# KiCad board MurPhySDR.kicad_pcb (continued)
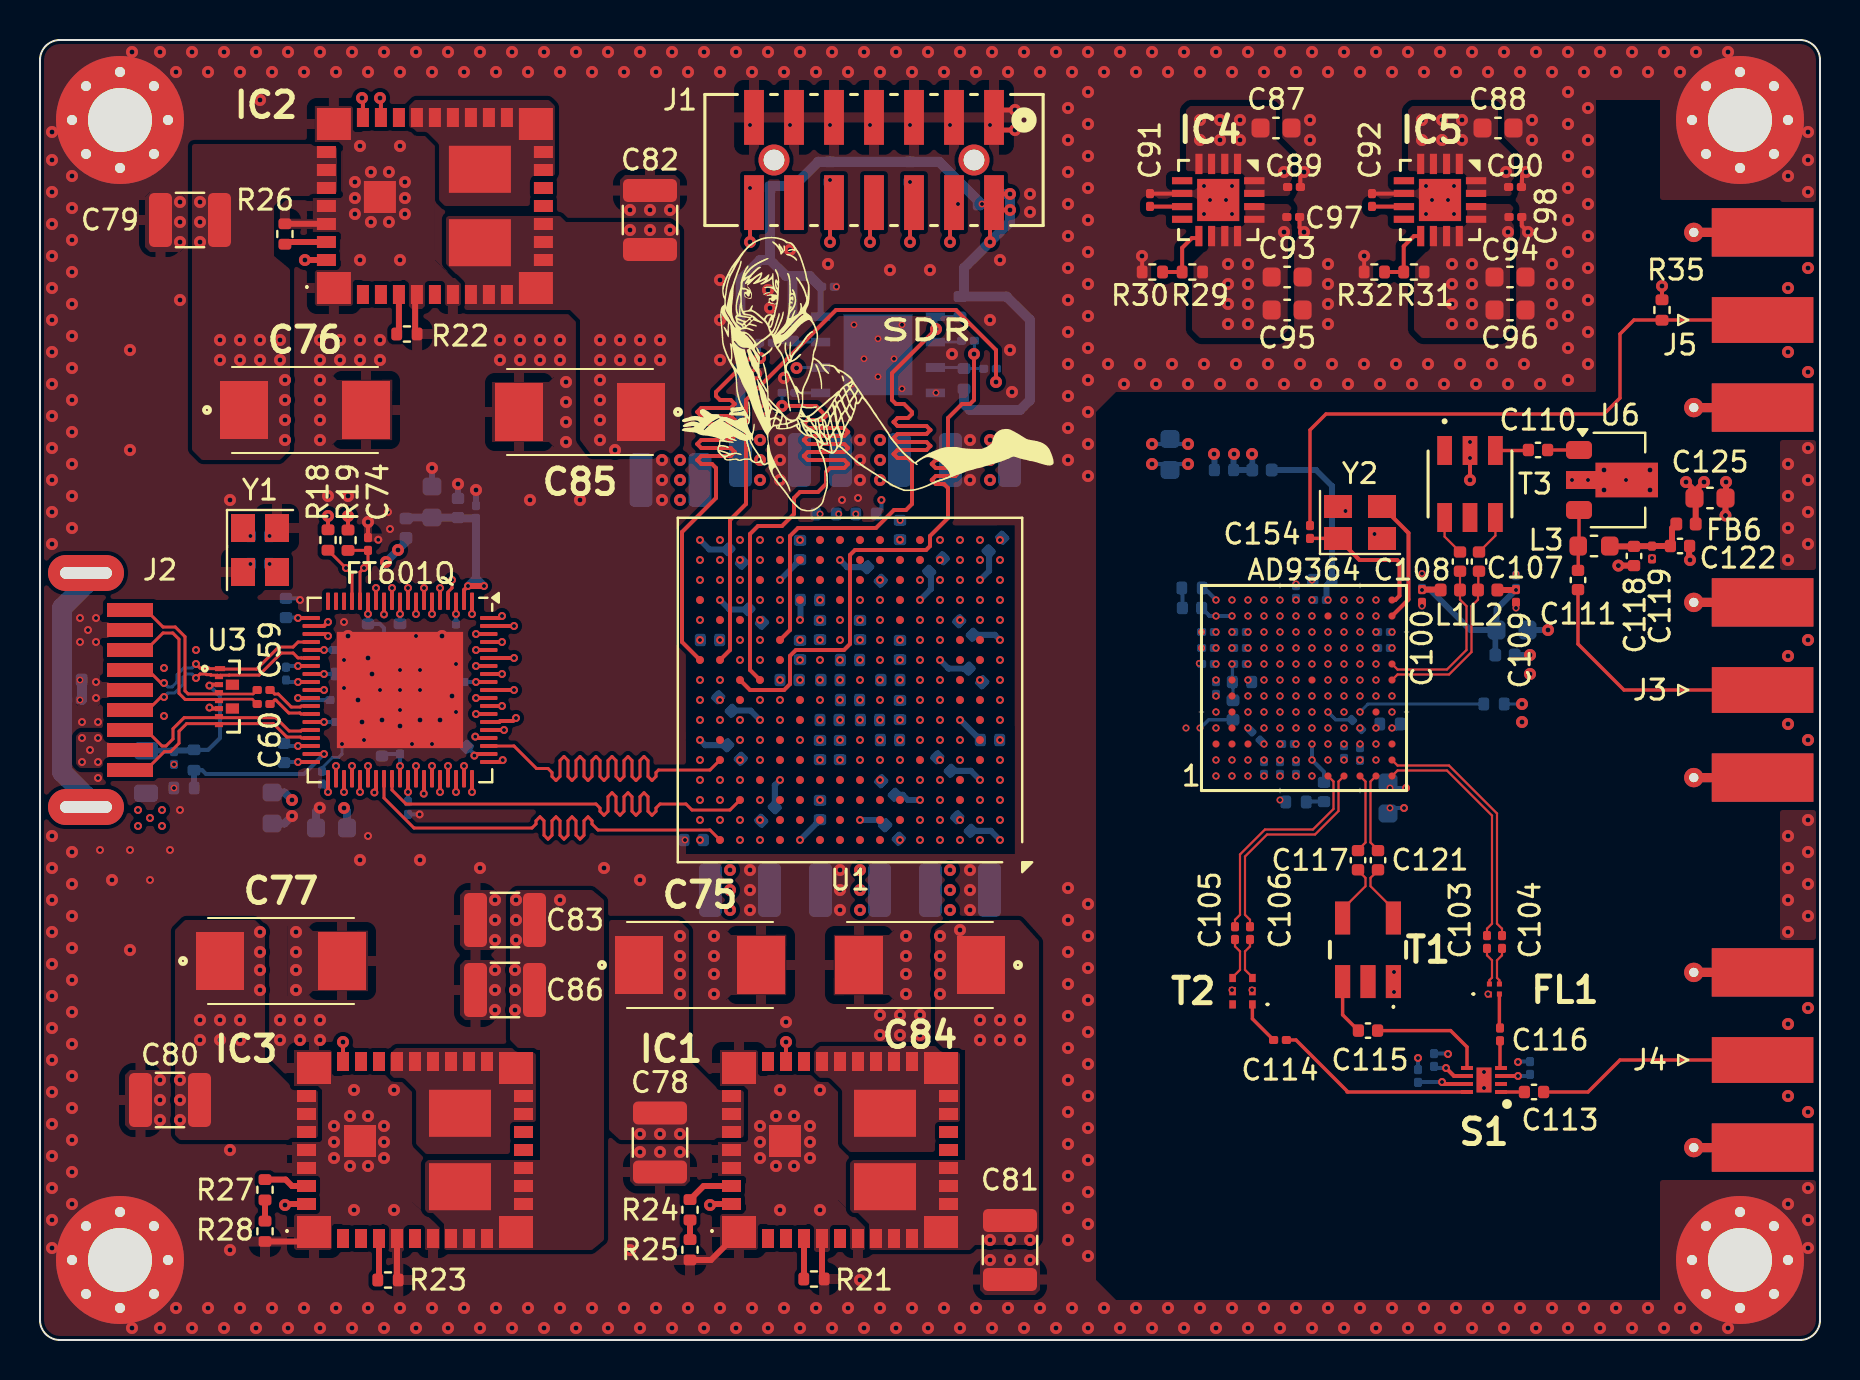
[diagram p0: board, top side]
## Routing (per net, layer and track width the routed paths; a pad name or vN(x,y) marks a point on that pad's centre or on a via; arc(x,y) is an arc through that point) (continued)
+5P0_USB: length 7.3
  Top w0.2: v2(8.47,32.72) 8.52,32.77 U3.3
  Bottom w0.2: v2(8.47,32.72) 9,32.19 9,30.1 8.41,29.51 R15.2
  Bottom w0.3: FB4.1 6.68,29.46 6.7,29.48 7.67,29.48 R15.2
  vias: v2(2.1,30.1) v2(2.1,28.9) v2(2.5,29.5) v2(2.9,30.1) v2(2.9,28.9)
/AD9364/IO/AD93_XTALN: length 7.1
  Top w0.17: Y2.1 64.9,40.08 C154.1 63.5,40.07
  Top w0.2: Y2.1 65.97,39 67.86,39 67.97,38.88 67.97,37.21 67.76,37 U5.M12
/AD9364/IO/AD93_XTALP: length 6.4
  Top w0.2: U5.M11 68.43,37.03 68.43,40.35 Y2.3 ; 66.74,41.45 66.72,41.45
/AD9364/RF/RF_RX-0: length 1.2
  Top w0.17: S1.1 C113.1
/AD9364/RF/RF_RX-1: length 11.6
  Top w0.17: C113.2 77.4,12.4 79,14 J4.1
/AD9364/RF/RF_RX-A-0: length 1.7
  Top w0.17: C116.1 72.97,15.63 FL1.2
/AD9364/RF/RF_RX-A-1: length 1.4
  Top w0.17: S1.4 73,13.65 C116.2
/AD9364/RF/RF_RX-B-0: length 2.2
  Top w0.17: C114.1 60.62,16.06 T2.1
/AD9364/RF/RF_RX-B-1: length 10.2
  Top w0.17: 65.4,12.4 62.8,15 C114.2 ; 65.35,12.4 S1.8
/AD9364/RF/RF_RX-C-0: length 2.8
  Top w0.17: C115.1 65.13,16.26 T1.3
/AD9364/RF/RF_RX-C-1: length 5.9
  Top w0.17: C115.2 70.53,15.47 71.35,14.65 S1.5
/AD9364/RF/RF_RX_A_0_N: length 12.6
  Top w0.11: U5.M2 67.87,28.72 70.45,28.72 72.85,26.33 72.85,20.82 73.1,20.57 C104.1
/AD9364/RF/RF_RX_A_0_P: length 12.2
  Top w0.11: U5.M1 67.87,28.47 70.35,28.47 72.6,26.22 72.6,20.82 72.35,20.57 C103.1
/AD9364/RF/RF_RX_A_1_N: length 1.9
  Top w0.11: C104.2 73.1,19.23 72.85,18.98 72.85,18.11 72.97,17.99 FL1.3
/AD9364/RF/RF_RX_A_1_P: length 1.9
  Top w0.11: FL1.4 72.47,17.99 72.6,18.12 72.6,18.98 72.35,19.23 C103.2
/AD9364/RF/RF_RX_B_0_N: length 11.1
  Top w0.11: C106.1 60.5,21.01 60.25,21.26 60.25,24.17 61.35,25.28 63.75,25.28 64.93,26.45 64.93,27.93 U5.J1
/AD9364/RF/RF_RX_B_0_P: length 11.1
  Top w0.11: U5.H1 64.68,27.93 64.68,26.55 63.65,25.53 61.25,25.53 60,24.28 60,21.26 59.75,21.01 C105.1
/AD9364/RF/RF_RX_B_1_N: length 2.2
  Top w0.11: C106.2 60.5,19.68 60.25,19.43 60.25,18.51 60.62,18.14 T2.3
/AD9364/RF/RF_RX_B_1_P: length 2.2
  Top w0.11: C105.2 59.75,19.68 60,19.43 60,18.51 59.63,18.14 T2.4
/AD9364/RF/RF_RX_C_0_N: length 4
  Top w0.11: U5.L1 66.52,27.93 66.53,24.88 66.9,24.5 C121.1
/AD9364/RF/RF_RX_C_0_P: length 4
  Top w0.11: C117.1 65.9,24.5 66.28,24.88 66.27,27.93 U5.K1
/AD9364/RF/RF_RX_C_1_N: length 3
  Top w0.11: C121.2 66.9,23.48 66.53,23.1 66.53,22.69 67.67,21.54 T1.6
/AD9364/RF/RF_RX_C_1_P: length 3
  Top w0.11: T1.4 65.13,21.54 66.28,22.69 66.28,23.1 65.9,23.48 C117.2
/AD9364/RF/RF_TX-0: length 1.7
  Top w0.17: T3.3 74.34,44.48 74.42,44.4
/AD9364/RF/RF_TX-1: length 1.6
  Top w0.17: C110.2 U6.1
/AD9364/RF/RF_TX-2: length 3
  Top w0.17: C111.1 76.91,38.49 L3.2 76.95,39.74 U6.3
/AD9364/RF/RF_TX-3: length 12.9
  Top w0.17: J3.1 79.2,32.5 76.9,34.8 C111.2
/AD9364/RF/RF_TX_0_N: length 8.3
  Top w0.11: C108.1 L1.2 71,37.02 71.32,36.69 71.32,34.5 70.35,33.53 67.87,33.53 U5.M8
/AD9364/RF/RF_TX_0_P: length 8.9
  Top w0.11: 71.86,37.31 71.95,37.4 ; L2.2 71.9,37.02 71.57,36.69 71.57,34.4 70.45,33.28 67.87,33.28 U5.M7 ; 71.91,37.5 71.91,38.41 C107.1
/AD9364/RF/RF_TX_1_N: length 2
  Top w0.11: T3.6 70.23,40.17 C108.2
/AD9364/RF/RF_TX_1_P: length 2.1
  Top w0.11: T3.4 72.77,40.22 C107.2
/FT601Q/FT-X_N: length 11
  Top w0.2: v2(14.4,35.9) 14.2,35.7 U4.21
  In2.Cu w0.11: v2(14.4,35.9) 14.01,35.51 10.17,35.51 9.85,35.82 9.85,39.24 9.92,39.3 10.98,39.3 v3(11.48,38.8)
/FT601Q/FT-X_P: length 11.8
  Top w0.2: v2(14.4,35.2) 14.3,35.3 U4.22
  In2.Cu w0.11: v3(10.52,40.2) 10.9,39.82 10.9,39.58 10.86,39.54 9.72,39.54 9.54,39.36 9.54,35.69 10.04,35.2 v2(14.4,35.2)
/FT601Q/FT_USB_SSTX_B_N: length 2.4
  Top w0.15: C59.2 11.53,32.5 11.73,32.3 11.91,32.3 12.56,31.65 13.02,31.65 13.07,31.7 U4.31
/FT601Q/FT_USB_SSTX_B_P: length 2.4
  Top w0.15: U4.32 13.05,31.3 13,31.35 12.44,31.35 11.79,32 11.73,32 11.53,31.8 C60.2
FPGA_CFG_CCLK: length 22.8
  In2.Cu w0.2: v3(41,29) 41,29.48 40.08,30.4 39.9,30.4 39.4,30.9 39.4,31.1 38.5,32 38.5,43.4 38.8,43.7 39,43.7 39.2,43.9 39,44.1 38.8,44.1 38.6,44.3 38.6,48 38,48.6
  Bottom w0.15: U2.6 38.03,48.63 38,48.6
  vias: v1(37.83,48.6)
FT_USB_D_N: length 10.6
  Top w0.15: v2(7.8,33.1) 8,33.3 8.3,33.3 8.33,33.27 8.54,33.27 8.54,33.24 8.88,33.24 U3.2 9.02,33.24 9.46,33.24 9.46,33.25 10.96,33.25 12.06,34.35 12.66,34.35 12.9,34.1 13.07,34.1 13.07,34.1 U4.25 ; J2.2 5.3,31.5 ; v2(6.2,32.15) 6.05,32.15 5.53,31.63
  Top w0.2: 8.93,33.15 U3.2
  Bottom w0.15: v2(6.2,32.15) 6.4,32.35 6.73,32.35 7.15,32.77 7.15,33.14 7.31,33.3 7.6,33.3 v2(7.8,33.1)
FT_USB_D_P: length 10.4
  Top w0.15: v2(7.8,33.8) 8,33.6 8.42,33.6 8.45,33.57 U3.1 9.02,33.55 10.83,33.55 11.94,34.65 12.66,34.65 12.91,34.9 U4.23 ; J2.3 5.3,33.5 ; 5.61,33.29 6.05,32.85 v2(6.2,32.85)
  Bottom w0.15: v2(6.2,32.85) 6.4,32.65 6.6,32.65 6.85,32.9 6.85,33.26 7.19,33.6 7.6,33.6 v2(7.8,33.8)
FT_USB_SSRX_N: length 10.7
  Top w0.15: U4.34 13.1,30.5 13.05,30.45 12.46,30.45 11.79,31.12 9.09,31.12 9.09,31.17 U3.7 8.9,31.12 7.21,31.12 6.65,30.56 6.65,30.05 6.3,29.7 6.1,29.7 5.3,30.5 J2.8
  Top w0.2: 8.92,31.19 U3.7
FT_USB_SSRX_P: length 10.7
  Top w0.15: J2.9 5.3,28.5 6.22,29.42 6.53,29.42 6.95,29.84 6.95,30.44 7.33,30.82 8.9,30.82 U3.8 9,30.82 11.67,30.82 12.34,30.15 13.02,30.15 13.07,30.1 U4.35
  Top w0.2: 8.92,30.74 U3.8
FT_USB_SSTX_N: length 9.9
  Top w0.1: U3.4 8.99,32.33
  Top w0.13: U3.4 9.02,32.3 10.66,32.3 C59.1
  Top w0.15: J2.5 5.3,36.5 6.15,35.65 6.76,35.65 7.25,35.16 7.25,32.46 7.4,32.31 8.89,32.31 U3.4
FT_USB_SSTX_P: length 9.9
  Top w0.1: U3.5 8.99,32.01
  Top w0.13: 10.83,31.8 C60.1 10.62,32.04 9.02,32.04 U3.5
  Top w0.15: U3.5 8.89,32.03 7.26,32.03 6.95,32.33 6.95,35.04 6.64,35.35 6.15,35.35 5.3,34.5 J2.6
FTDI_BE_0: length 18.3
  Top w0.15: U4.4 20.4,37.4 20.6,37.6 v2(20.6,38)
  In5.Cu w0.15: v3(34,39) 33.5,39.5 30.34,39.5 30.11,39.72 29.94,39.72 29.82,39.61 29.82,39.39 29.71,39.27 29.54,39.27 29.43,39.39 29.43,39.61 29.31,39.73 29.14,39.73 29.03,39.61 29.03,39.39 28.91,39.28 28.72,39.28 28.5,39.5 28.08,39.5 27.82,39.77 27.48,39.77 27.35,39.63 27.35,39.36 27.21,39.23 26.89,39.23 26.75,39.36 26.75,39.64 26.61,39.77 26.29,39.77 26.15,39.64 26.15,39.36 26.01,39.23 25.69,39.23 25.55,39.36 25.55,39.63 25.42,39.77 25.07,39.77 24.8,39.5 22.1,39.5 v2(20.6,38)
FTDI_BE_1: length 15.9
  Top w0.2: U4.5 v2(20,37.6)
  In5.Cu w0.15: v3(34,38) 33.5,38.5 23.55,38.5 23.1,38.05 23.1,37.5 22.78,37.18 20.43,37.18 v2(20,37.6)
FTDI_BE_2: length 18.3
  Top w0.2: U4.6 v2(19.6,36.3)
  In5.Cu w0.15: v2(19.6,36.3) 20.03,36.72 22.93,36.72 24,37.8 28.5,37.8 28.78,37.52 28.96,37.52 29.1,37.66 29.1,37.88 29.18,37.95 29.42,37.95 29.5,37.88 29.5,37.65 29.65,37.5 29.75,37.5 29.9,37.65 29.9,37.94 30.04,38.08 30.16,38.08 30.44,37.8 32.3,37.8 32.6,37.5 34.5,37.5 v3(35,37)
FTDI_BE_3: length 19.3
  Top w0.2: U4.7 v2(19.2,37.6)
  In2.Cu w0.15: v2(19.2,37.6) 20.2,38.6 21,38.6 21.45,38.15 23.95,38.15 24.5,37.6 28.1,37.6 28.27,37.77 28.61,37.77 28.7,37.69 28.7,37.51 28.79,37.43 29.01,37.43 29.19,37.6 31.4,37.6 32.3,38.5 35.5,38.5 v3(36,39)
FTDI_CLK: length 18.3
  Top w0.2: v2(23.14,29) 23.04,28.9 22.47,28.9
  In5.Cu w0.15: v2(23.14,29) 24.9,29 25.12,28.78 25.32,28.78 25.42,28.89 25.42,29.11 25.54,29.22 25.71,29.22 25.82,29.11 25.82,28.88 25.94,28.77 26.11,28.77 26.22,28.88 26.22,29.11 26.34,29.22 26.51,29.22 26.62,29.11 26.62,28.88 26.74,28.77 26.91,28.77 27.02,28.88 27.02,29.11 27.14,29.22 27.31,29.22 27.42,29.11 27.42,28.88 27.54,28.77 27.71,28.77 27.82,28.88 27.82,29.11 27.94,29.22 28.11,29.22 28.22,29.11 28.22,28.88 28.34,28.77 28.51,28.77 28.62,28.88 28.62,29.11 28.73,29.22 28.92,29.22 29.13,29 32.43,29 32.93,29.5 33.1,29.5 34.1,30.5 35.2,30.5 35.5,30.2 35.5,29.5 v3(36,29)
FTDI_DATA_0: length 20.4
  Top w0.15: U4.40 14.82,28.04
  Top w0.2: 14.8,28.5 v2(14.8,28.7) U4.40
  In2.Cu w0.15: v3(33,28) 32.43,28 31.12,26.7 23.05,26.7 21.85,27.9 15.6,27.9 v2(14.8,28.7)
FTDI_DATA_1: length 20.4
  Top w0.2: U4.41 v2(15.2,27.4) 15.2,27.6
  In2.Cu w0.15: v2(15.2,27.4) 18,24.6 31.28,24.6 32.08,25.4 32.4,25.4 v3(33,26)
FTDI_DATA_2: length 19.3
  Top w0.2: v2(15.6,28.7) U4.42
  In2.Cu w0.15: v3(33,29) 32.93,29 31.23,27.3 23.4,27.3 22.43,28.28 16.03,28.28 v2(15.6,28.7)
FTDI_DATA_3: length 20.5
  Top w0.2: U4.43 v2(16,27.4) 16,27.6
  In2.Cu w0.15: v2(16,27.4) 18.2,25.2 31.4,25.2 32.7,26.5 33.2,26.5 33.7,26 v3(34,26)
FTDI_DATA_4: length 19.2
  Top w0.2: v2(16.4,28.7) U4.44
  In2.Cu w0.15: v3(33,31) 33,30.9 30.6,28.5 24.3,28.5 23.2,29.6 22.2,29.6 22.1,29.7 21.4,29.7 20.9,29.2 16.9,29.2 v2(16.4,28.7)
FTDI_DATA_5: length 20
  Top w0.2: 16.8,27.46 16.8,27.6 ; 16.8,27.46 U4.45 ; 16.8,27.46 v2(16.72,27.38)
  In2.Cu w0.15: v3(33,27) 32.6,27 31.3,25.7 25.5,25.7 25.4,25.6 25.15,25.6 25.1,25.65 25.1,25.75 25.05,25.8 24.8,25.8 24.75,25.75 24.75,25.65 24.7,25.6 24.45,25.6 24.4,25.65 24.4,25.75 24.35,25.8 24.1,25.8 24.05,25.75 24.05,25.65 24,25.6 23.75,25.6 23.7,25.65 23.7,25.75 23.65,25.8 23.4,25.8 23.35,25.75 23.35,25.65 23.3,25.6 23.05,25.6 23,25.65 23,25.75 22.95,25.8 22.7,25.8 22.65,25.75 22.65,25.65 22.6,25.6 22.35,25.6 22.3,25.65 22.3,25.75 22.25,25.8 22,25.8 21.95,25.75 21.95,25.65 21.9,25.6 21.65,25.6 21.6,25.65 21.6,25.75 21.55,25.8 21.3,25.8 21.2,25.7 18.4,25.7 v2(16.72,27.38)
FTDI_DATA_6: length 24.6
  Top w0.15: U4.46 17.2,27.1 18.7,25.6 24.6,25.6 24.8,25.8 24.8,25.96 25,26.16 25.2,25.96 25.2,25.24 25.4,25.04 25.6,25.24 25.6,25.96 25.8,26.16 26,25.96 26,25.24 26.2,25.04 26.4,25.24 26.4,25.96 26.6,26.16 26.8,25.96 26.8,25.24 27,25.04 27.2,25.24 27.2,25.96 27.4,26.16 27.6,25.96 27.6,25.8 27.9,25.5 33.5,25.5 U1.A15
FTDI_DATA_7: length 24.6
  Top w0.15: U4.47 17.6,27.5 18.3,26.8 27.8,26.8 28,26.6 28,26.44 28.2,26.24 28.4,26.44 28.4,27.16 28.6,27.36 28.8,27.16 28.8,26.44 29,26.24 29.2,26.44 29.2,27.16 29.4,27.36 29.6,27.16 29.6,26.44 29.8,26.24 30,26.44 30,27.16 30.2,27.36 30.4,27.16 30.4,26.44 30.6,26.24 30.8,26.44 30.8,26.6 31,26.8 32.3,26.8 32.6,26.5 34.5,26.5 U1.C14
FTDI_DATA_8: length 18.3
  Top w0.2: v2(18.8,28.7) U4.50
  In5.Cu w0.15: v3(34,28) 33.42,27.42 26.72,27.42 26.53,27.22 26.32,27.22 26.22,27.32 26.22,27.52 26.12,27.63 25.93,27.63 25.82,27.52 25.82,27.31 25.72,27.21 25.53,27.21 25.43,27.31 25.43,27.52 25.32,27.63 25.13,27.63 25.03,27.52 25.03,27.32 24.93,27.22 24.7,27.22 24.5,27.42 23.91,27.42 23.5,27.82 23.31,27.82 22.9,27.42 22.71,27.42 22.3,27.82 20.47,27.82 20.1,28.2 19.3,28.2 v2(18.8,28.7)
FTDI_DATA_9: length 20.5
  Top w0.2: U4.51 19.2,27.4 19.2,27.6
  In5.Cu w0.15: v3(35,25) 34.3,24.3 26.95,24.3 26.65,24 26.55,24 26.4,24.15 26.4,24.46 26.24,24.62 26.16,24.62 26,24.46 26,24.15 25.85,24 25.7,24 25.4,24.3 25.06,24.3 24.64,24.71 24.46,24.71 24.25,24.51 24.25,24.09 24.04,23.89 23.81,23.89 23.4,24.3 21.88,24.3 19.19,26.99 v2(19.19,27.32)
FTDI_DATA_10: length 16.8
  Top w0.2: v2(19.6,28.7) U4.52
  In5.Cu w0.15: v2(19.6,28.7) 20.62,29.72 23.2,29.72 23.53,29.39 23.83,29.39 24,29.55 24,29.91 24.19,30.1 24.41,30.1 24.79,29.72 32.12,29.72 33,30.6 33.6,30.6 v3(34,31)
FTDI_DATA_11: length 20.5
  Top w0.2: 20,27.6 v2(20,27.4) U4.53
  In5.Cu w0.15: v3(35,26) 34.6,25.6 27.95,25.6 27.65,25.3 27.55,25.3 27.4,25.45 27.4,25.76 27.24,25.92 27.16,25.92 27,25.76 27,25.45 26.85,25.3 26.7,25.3 26.4,25.6 26.12,25.6 25.73,25.99 25.52,25.99 25.32,25.79 25.32,25.4 25.13,25.2 24.92,25.2 24.72,25.4 24.72,25.8 24.53,26 24.32,26 24.12,25.8 24.12,25.4 23.93,25.2 23.72,25.2 23.53,25.4 23.53,25.79 23.33,25.99 23.09,25.99 22.7,25.6 21.8,25.6 v2(20,27.4)
FTDI_DATA_12: length 18.3
  Top w0.2: v2(20.4,28.7) U4.54
  In5.Cu w0.15: v3(35,30) 34.48,30 32.68,28.2 30.63,28.2 30.42,27.99 30.23,27.99 30.12,28.09 30.12,28.31 30.02,28.42 29.83,28.42 29.72,28.31 29.72,28.09 29.62,27.98 29.43,27.98 29.32,28.09 29.32,28.31 29.22,28.42 29.03,28.42 28.93,28.31 28.93,28.09 28.82,27.99 28.61,27.99 28.4,28.2 25.16,28.2 24.89,28.46 24.46,28.46 24.38,28.38 24.38,28.24 24.31,28.18 23.84,28.18 23.78,28.24 23.78,28.36 23.71,28.42 23.24,28.42 23.18,28.36 23.18,28.24 23.12,28.19 22.61,28.19 22.5,28.3 21.4,28.3 21.38,28.28 20.82,28.28 v2(20.4,28.7)
FTDI_DATA_13: length 20.5
  Top w0.2: U4.55 v2(20.8,27.4) 20.8,27.6
  In5.Cu w0.15: v3(36,27) 35.6,26.6 29.64,26.6 29.41,26.82 29.24,26.82 29.12,26.71 29.12,26.49 29.01,26.37 28.84,26.37 28.72,26.49 28.72,26.71 28.61,26.83 28.44,26.83 28.32,26.71 28.32,26.49 28.21,26.38 28.02,26.38 27.8,26.6 27.09,26.6 26.86,26.82 26.64,26.82 26.53,26.71 26.53,26.49 26.41,26.37 26.19,26.37 26.07,26.49 26.07,26.71 25.96,26.83 25.74,26.83 25.62,26.71 25.62,26.49 25.51,26.37 25.29,26.37 25.18,26.49 25.18,26.71 25.06,26.83 24.84,26.83 24.72,26.71 24.72,26.49 24.61,26.37 24.39,26.37 24.28,26.49 24.28,26.71 24.16,26.83 23.94,26.83 23.82,26.71 23.82,26.49 23.71,26.37 23.49,26.37 23.38,26.49 23.38,26.71 23.26,26.82 23.02,26.82 22.8,26.6 21.6,26.6 v2(20.8,27.4)
FTDI_DATA_14: length 19.3
  Top w0.2: v2(21.2,28.7) U4.56
  In2.Cu w0.15: v2(21.2,28.7) 22.83,28.7 22.96,28.57 23.63,28.57 24.5,27.7 24.6,27.7 25.05,28.15 25.1,28.15 25.55,27.7 25.6,27.7 26.05,28.15 26.1,28.15 26.55,27.7 26.6,27.7 27.05,28.15 27.1,28.15 27.55,27.7 27.6,27.7 28.05,28.15 28.1,28.15 28.55,27.7 28.6,27.7 29.05,28.15 29.1,28.15 29.55,27.7 29.6,27.7 30.05,28.15 30.1,28.15 30.55,27.7 30.7,27.7 30.9,27.9 31.2,27.9 31.38,28.08 31.38,28.23 31.21,28.4 31.21,28.58 31.31,28.68 31.68,28.68 32.5,29.5 33.3,29.5 33.5,29.3 33.5,28.8 33.8,28.5 34.5,28.5 v3(35,28)
FTDI_DATA_15: length 20.5
  Top w0.2: U4.57 v2(21.6,27.4) 21.6,27.6
  In2.Cu w0.15: v3(36,25) 35.6,25.4 35.6,27.1 35.2,27.5 32.5,27.5 31.2,26.2 20.9,26.2 20.6,26.5 20.6,26.78 20.8,26.97 21.18,26.97 v2(21.6,27.4)
FTDI_DATA_16: length 24.5
  Top w0.15: U4.60 23.7,29.7 24.82,28.57 25.4,28.57 25.6,28.38 25.6,28.18 25.8,27.97 26,28.18 26,28.97 26.2,29.18 26.4,28.97 26.4,28.18 26.6,27.97 26.8,28.18 26.8,28.97 27,29.18 27.2,28.97 27.2,28.18 27.4,27.97 27.6,28.18 27.6,28.97 27.8,29.18 28,28.97 28,28.18 28.2,27.97 28.4,28.18 28.4,28.97 28.6,29.18 28.8,28.97 28.8,28.18 29,27.97 29.2,28.18 29.2,28.97 29.4,29.18 29.6,28.97 29.6,28.18 29.8,27.97 30,28.18 30,28.97 30.2,29.18 30.4,28.97 30.4,28.18 30.6,27.97 30.8,28.18 30.8,28.38 30.93,28.5 33.5,28.5 U1.E15
FTDI_DATA_17: length 19.3
  Top w0.2: v2(21.76,30.17) 21.83,30.1 22.46,30.1
  In2.Cu w0.15: v3(35,31) 34.5,31.5 32.8,31.5 32.4,31.1 32.4,30.9 30.5,29 24.37,29 23.29,30.07 22.53,30.07 21.9,30.7 20.5,30.7 20.25,30.45 20.53,30.17 v2(21.76,30.17)
FTDI_DATA_18: length 20.3
  Top w0.2: 23.1,30.5 U4.62
  In5.Cu w0.15: v3(36,30) 36,30.3 35.6,30.7 35.6,30.97 35.17,31.4 32.83,31.4 31.91,30.47 30.19,30.47 29.91,30.19 29.84,30.19 29.7,30.33 29.7,30.62 29.56,30.76 29.49,30.76 29.35,30.62 29.35,30.33 29.21,30.19 29.14,30.19 29,30.33 29,30.62 28.86,30.76 28.79,30.76 28.65,30.62 28.65,30.33 28.51,30.19 28.44,30.19 28.3,30.33 28.3,30.62 28.16,30.76 28.09,30.76 27.95,30.62 27.95,30.33 27.81,30.19 27.74,30.19 27.6,30.33 27.6,30.62 27.46,30.76 27.39,30.76 27.25,30.62 27.25,30.33 27.11,30.19 27.04,30.19 26.9,30.33 26.9,30.62 26.76,30.76 26.69,30.76 26.55,30.62 26.55,30.33 26.41,30.19 26.34,30.19 26.2,30.33 26.2,30.62 26.06,30.76 25.99,30.76 25.85,30.62 25.85,30.33 25.71,30.19 25.64,30.19 25.5,30.33 25.5,30.62 25.36,30.76 25.28,30.76 25,30.47 23.28,30.47 23.2,30.4
  vias: v2(23.2,30.5)
FTDI_DATA_19: length 19.3
  Top w0.2: U4.63 22.96,30.9 23.01,30.95 23.65,30.95 v2(23.8,31.1)
  In2.Cu w0.15: v3(33,32) 32.6,32 32.35,31.75 32.35,31.54 32.21,31.4 32.11,31.4 32,31.5 31.89,31.5 31.75,31.36 31.75,31.26 31.88,31.13 31.88,30.99 31.77,30.88 31.63,30.88 31.51,31.01 31.4,31.01 31.26,30.87 31.26,30.76 31.38,30.64 31.38,30.5 31.28,30.39 31.13,30.39 30.99,30.53 30.85,30.53 30.75,30.43 30.75,30.28 30.89,30.14 30.89,30 30.78,29.89 30.64,29.89 30.5,30.04 30.36,30.04 30.25,29.93 30.25,29.79 30.39,29.65 30.39,29.51 30.29,29.4 29.9,29.4 29.75,29.55 29.75,29.8 29.6,29.95 29.45,29.8 29.45,29.55 29.3,29.4 29.15,29.4 29,29.55 29,29.65 28.85,29.8 28.7,29.65 28.7,29.55 28.55,29.4 28.4,29.55 28.4,29.65 28.25,29.8 28.1,29.65 28.1,29.55 27.95,29.4 27.8,29.55 27.8,29.65 27.65,29.8 27.5,29.65 27.5,29.55 27.35,29.4 27.2,29.55 27.2,29.65 27.05,29.8 26.9,29.65 26.9,29.55 26.75,29.4 26.6,29.55 26.6,29.65 26.45,29.8 26.3,29.65 26.3,29.55 26.15,29.4 26,29.55 26,29.65 25.85,29.8 25.7,29.65 25.7,29.55 25.55,29.4 25.4,29.55 25.4,29.65 25.25,29.8 25.1,29.65 25.1,29.55 24.95,29.4 24.6,29.4 24.6,29.68 24.37,29.91 24.37,30.3 24.28,30.39 23.89,30.39 23.8,30.48 v2(23.8,31.1)
FTDI_DATA_20: length 18.3
  Top w0.2: v2(21.8,31.3) U4.64
  In5.Cu w0.15: v2(21.8,31.3) 21.82,31.28 23.28,31.28 23.6,31.6 24.3,31.6 24.53,31.83 24.71,31.83 24.82,31.71 24.82,31.48 24.94,31.37 25.11,31.37 25.22,31.48 25.22,31.72 25.34,31.83 25.51,31.83 25.62,31.72 25.62,31.48 25.74,31.37 25.91,31.37 26.03,31.48 26.03,31.72 26.14,31.83 26.31,31.83 26.43,31.72 26.43,31.48 26.54,31.37 26.71,31.37 26.82,31.48 26.82,31.72 26.94,31.83 27.11,31.83 27.22,31.72 27.22,31.48 27.34,31.37 27.51,31.37 27.62,31.48 27.62,31.71 27.74,31.83 27.91,31.83 28.14,31.6 32.03,31.6 32.83,32.4 35.6,32.4 v3(36,32)
FTDI_DATA_21: length 19.3
  Top w0.2: v2(23.1,31.7) U4.65
  In2.Cu w0.15: v2(23.1,31.7) 23.9,31.7 25.1,30.5 25.6,30.5 25.75,30.35 25.9,30.35 25.97,30.43 25.97,30.57 26.05,30.65 26.2,30.65 26.28,30.57 26.28,30.43 26.35,30.35 26.5,30.35 26.57,30.43 26.57,30.57 26.65,30.65 26.8,30.65 26.88,30.57 26.88,30.43 26.95,30.35 27.1,30.35 27.18,30.43 27.18,30.57 27.25,30.65 27.4,30.65 27.47,30.57 27.47,30.43 27.55,30.35 27.7,30.35 27.78,30.43 27.78,30.57 27.85,30.65 28,30.65 28.07,30.57 28.07,30.43 28.15,30.35 28.3,30.35 28.38,30.43 28.38,30.57 28.45,30.65 28.6,30.65 28.68,30.57 28.68,30.43 28.75,30.35 28.9,30.35 28.97,30.43 28.97,30.57 29.05,30.65 29.2,30.65 29.28,30.57 29.28,30.43 29.35,30.35 29.5,30.35 29.65,30.5 30.11,30.5 30.82,31.2 31.1,31.2 32.3,32.4 35.3,32.4 35.6,32.1 35.6,31.83 36.03,31.4 36.6,31.4 v3(37,31)
FTDI_DATA_22: length 20.2
  Top w0.2: v2(21.8,32.1) U4.66
  In2.Cu w0.15: v2(21.8,32.1) 21.82,32.12 23.37,32.12 23.5,32 24.2,32 24.9,31.3 25.1,31.3 25.28,31.47 25.28,31.61 25.45,31.78 25.62,31.61 25.62,31.04 25.8,30.87 25.97,31.04 25.97,31.61 26.15,31.78 26.32,31.61 26.32,31.14 26.49,30.98 26.51,30.98 26.68,31.14 26.68,31.61 26.85,31.78 27.03,31.61 27.03,31.14 27.19,30.98 27.21,30.98 27.38,31.14 27.38,31.61 27.55,31.78 27.72,31.61 27.72,31.14 27.89,30.98 27.91,30.98 28.07,31.14 28.07,31.61 28.25,31.78 28.43,31.61 28.43,31.14 28.59,30.98 28.61,30.98 28.78,31.14 28.78,31.61 28.95,31.78 29.12,31.61 29.12,31.14 29.28,30.98 29.32,30.98 29.63,31.3 29.95,31.3 30.65,32 31.48,32 32.48,33 v3(33,33)
  In5.Cu w0.15: v2(21.8,32.1) 21.82,32.12
FTDI_DATA_23: length 19.4
  Top w0.2: v2(23.7,32.5) U4.67
  In2.Cu w0.15: v2(23.7,32.5) 24.3,32.5 24.5,32.3 24.65,32.3 24.75,32.4 24.75,32.6 24.85,32.7 25,32.7 25.1,32.6 25.1,32.4 25.2,32.3 25.35,32.3 25.45,32.4 25.45,32.6 25.55,32.7 25.7,32.7 25.8,32.6 25.8,32.4 25.9,32.3 26.05,32.3 26.15,32.4 26.15,32.6 26.25,32.7 26.4,32.7 26.5,32.6 26.5,32.4 26.6,32.3 26.75,32.3 26.85,32.4 26.85,32.6 26.95,32.7 27.1,32.7 27.2,32.6 27.2,32.4 27.3,32.3 27.45,32.3 27.55,32.4 27.55,32.6 27.65,32.7 27.8,32.7 27.9,32.6 27.9,32.4 28,32.3 28.15,32.3 28.25,32.4 28.25,32.6 28.35,32.7 28.5,32.7 28.6,32.6 28.6,32.4 28.7,32.3 28.85,32.3 28.95,32.4 28.95,32.6 29.05,32.7 29.2,32.7 29.3,32.6 29.3,32.4 29.4,32.3 29.55,32.3 29.65,32.4 29.65,32.6 29.75,32.7 29.9,32.7 30,32.6 30,32.4 30.1,32.3 30.25,32.3 30.35,32.4 30.35,32.6 30.45,32.7 30.6,32.7 30.8,32.5 31.3,32.5 32.2,33.4 35.8,33.4 36,33.6 v3(36,34)
FTDI_DATA_24: length 19.3
  Top w0.2: v2(23.1,33.3) U4.69
  In2.Cu w0.15: v2(23.1,33.3) 23.7,33.3 23.8,33.2 24.05,33.2 24.1,33.25 24.1,33.35 24.15,33.4 24.4,33.4 24.45,33.35 24.45,33.25 24.5,33.2 24.75,33.2 24.8,33.25 24.8,33.35 24.85,33.4 25.1,33.4 25.15,33.35 25.15,33.25 25.2,33.2 25.45,33.2 25.5,33.25 25.5,33.35 25.55,33.4 25.8,33.4 25.85,33.35 25.85,33.25 25.9,33.2 26.15,33.2 26.2,33.25 26.2,33.35 26.25,33.4 26.5,33.4 26.55,33.35 26.55,33.25 26.6,33.2 26.85,33.2 26.9,33.25 26.9,33.35 26.95,33.4 27.2,33.4 27.25,33.35 27.25,33.25 27.3,33.2 27.55,33.2 27.6,33.25 27.6,33.35 27.65,33.4 27.9,33.4 27.95,33.35 27.95,33.25 28,33.2 28.25,33.2 28.3,33.25 28.3,33.35 28.35,33.4 28.6,33.4 28.65,33.35 28.65,33.25 28.7,33.2 28.95,33.2 29,33.25 29,33.35 29.05,33.4 29.3,33.4 29.35,33.35 29.35,33.25 29.4,33.2 29.65,33.2 29.75,33.3 31.48,33.3 32.58,34.4 36.17,34.4 36.6,33.97 36.6,32.4 v3(37,32)
FTDI_DATA_25: length 18.3
  Top w0.2: v2(21.8,33.7) U4.70
  In5.Cu w0.15: v3(34,33) 33.5,33.5 32.8,33.5 31.9,32.6 29.3,32.6 29,32.31 28.9,32.31 28.75,32.45 28.75,32.75 28.6,32.89 28.5,32.89 28.35,32.75 28.35,32.45 28.2,32.31 28.1,32.31 27.95,32.45 27.95,32.75 27.8,32.89 27.7,32.89 27.55,32.75 27.55,32.45 27.4,32.31 27.3,32.31 27.15,32.45 27.15,32.75 27,32.89 26.9,32.89 26.75,32.75 26.75,32.45 26.6,32.31 26.5,32.31 26.35,32.45 26.35,32.75 26.2,32.89 26.1,32.89 25.95,32.75 25.95,32.45 25.8,32.31 25.7,32.31 25.55,32.45 25.55,32.75 25.4,32.89 25.3,32.89 25.15,32.75 25.15,32.45 25,32.31 24.89,32.31 24.6,32.6 24.2,32.6 23.93,32.88 22.62,32.88 v2(21.8,33.7)
FTDI_DATA_26: length 19.3
  Top w0.2: v2(23.7,34.1) U4.71
  In2.Cu w0.15: v3(36,35) 35.7,35 35.2,35.5 32.93,35.5 32.34,34.91 32.34,34.63 32.16,34.45 31.89,34.45 31.53,34.1 31.05,34.1 30.8,33.85 30.6,33.85 30.47,33.98 30.47,34.22 30.35,34.35 30.15,34.35 30.03,34.22 30.03,33.98 29.9,33.85 29.7,33.85 29.57,33.98 29.57,34.22 29.45,34.35 29.25,34.35 29.12,34.22 29.12,33.98 29,33.85 28.8,33.85 28.68,33.98 28.68,34.22 28.55,34.35 28.35,34.35 28.22,34.22 28.22,33.98 28.1,33.85 27.9,33.85 27.78,33.98 27.78,34.22 27.65,34.35 27.45,34.35 27.32,34.22 27.32,33.98 27.2,33.85 27,33.85 26.88,33.98 26.88,34.22 26.75,34.35 26.55,34.35 26.43,34.22 26.43,33.98 26.3,33.85 26.1,33.85 25.97,33.98 25.97,34.22 25.85,34.35 25.65,34.35 25.53,34.22 25.53,33.98 25.4,33.85 25.2,33.85 25.07,33.98 25.07,34.22 24.95,34.35 24.75,34.35 24.5,34.1 v2(23.7,34.1)
FTDI_DATA_27: length 18.3
  Top w0.2: v2(21.8,34.5) U4.72
  In5.Cu w0.15: v3(35,35) 34.4,34.4 32.83,34.4 32.03,33.6 29.14,33.6 28.91,33.37 28.74,33.37 28.62,33.49 28.62,33.72 28.51,33.83 28.34,33.83 28.22,33.72 28.22,33.48 28.11,33.37 27.94,33.37 27.82,33.48 27.82,33.72 27.71,33.83 27.54,33.83 27.43,33.72 27.43,33.48 27.31,33.37 27.14,33.37 27.03,33.48 27.03,33.72 26.91,33.83 26.74,33.83 26.62,33.72 26.62,33.48 26.51,33.37 26.34,33.37 26.22,33.48 26.22,33.72 26.11,33.83 25.94,33.83 25.82,33.72 25.82,33.48 25.71,33.37 25.54,33.37 25.43,33.48 25.43,33.72 25.31,33.83 25.14,33.83 25.03,33.72 25.03,33.49 24.91,33.37 24.73,33.37 24.5,33.6 23.4,33.6 22.53,34.47 21.82,34.47 v2(21.8,34.5)
FTDI_DATA_28: length 18.3
  Top w0.2: v2(23.1,34.9) U4.73
  In5.Cu w0.15: v2(23.1,34.9) 24.4,34.9 24.7,34.6 25.3,34.6 25.48,34.78 25.71,34.78 25.8,34.69 25.8,34.51 25.89,34.42 26.11,34.42 26.2,34.51 26.2,34.69 26.29,34.78 26.51,34.78 26.6,34.69 26.6,34.51 26.69,34.42 26.91,34.42 27,34.51 27,34.69 27.09,34.78 27.31,34.78 27.4,34.69 27.4,34.51 27.49,34.42 27.71,34.42 27.8,34.51 27.8,34.69 27.89,34.78 28.11,34.78 28.2,34.69 28.2,34.51 28.29,34.42 28.51,34.42 28.6,34.51 28.6,34.69 28.69,34.78 28.91,34.78 29,34.69 29,34.51 29.09,34.42 29.31,34.42 29.4,34.51 29.4,34.69 29.49,34.78 29.71,34.78 29.8,34.69 29.8,34.51 29.89,34.42 30.11,34.42 30.29,34.6 31.8,34.6 32.7,35.5 36.5,35.5 v3(37,36)
FTDI_DATA_29: length 18.3
  Top w0.2: v2(21.8,35.3) U4.74
  In5.Cu w0.15: v3(33,36) 32.3,36 31.9,35.6 31.25,35.6 31,35.85 30.9,35.85 30.78,35.72 30.78,35.48 30.65,35.35 30.55,35.35 30.43,35.48 30.43,35.72 30.3,35.85 30.2,35.85 30.07,35.72 30.07,35.48 29.95,35.35 29.85,35.35 29.72,35.48 29.72,35.72 29.6,35.85 29.5,35.85 29.38,35.72 29.38,35.48 29.25,35.35 29.15,35.35 29.03,35.48 29.03,35.72 28.9,35.85 28.8,35.85 28.68,35.72 28.68,35.48 28.55,35.35 28.45,35.35 28.32,35.48 28.32,35.72 28.2,35.85 28.1,35.85 27.97,35.72 27.97,35.48 27.85,35.35 27.75,35.35 27.62,35.48 27.62,35.72 27.5,35.85 27.4,35.85 27.28,35.72 27.28,35.48 27.15,35.35 27.05,35.35 26.93,35.48 26.93,35.72 26.8,35.85 26.7,35.85 26.57,35.72 26.57,35.48 26.45,35.35 26.35,35.35 26.22,35.48 26.22,35.72 26.1,35.85 26,35.85 25.88,35.72 25.88,35.48 25.75,35.35 25.65,35.35 25.53,35.48 25.53,35.72 25.4,35.85 25.3,35.85 25.18,35.72 25.18,35.48 25.05,35.35 24.95,35.35 24.7,35.6 24.3,35.6 24.03,35.32 21.82,35.32 v2(21.8,35.3)
FTDI_DATA_30: length 19.3
  Top w0.2: v2(23.7,35.7) U4.75
  In2.Cu w0.15: v2(23.7,35.7) 24.1,35.3 24.7,35.3 25.05,34.95 25.13,34.95 25.3,35.13 25.3,35.48 25.48,35.66 25.52,35.66 25.7,35.48 25.7,35.12 25.88,34.94 25.92,34.94 26.1,35.12 26.1,35.48 26.28,35.66 26.32,35.66 26.5,35.48 26.5,35.12 26.68,34.94 26.72,34.94 26.9,35.12 26.9,35.48 27.08,35.66 27.12,35.66 27.3,35.48 27.3,35.12 27.48,34.94 27.52,34.94 27.7,35.12 27.7,35.47 27.87,35.65 27.93,35.65 28.27,35.3 30.8,35.3 31.6,36.1 32.2,36.1 32.6,36.5 36.5,36.5 v3(37,37)
FTDI_DATA_31: length 18.3
  Top w0.2: U4.76 23,36.1 v2(23.1,36.2)
  In5.Cu w0.15: v3(36,37) 35.5,36.5 32.3,36.5 32,36.8 30.15,36.8 29.85,36.5 29.75,36.5 29.6,36.65 29.6,36.96 29.44,37.12 29.36,37.12 29.2,36.96 29.2,36.65 29.05,36.5 28.9,36.5 28.6,36.8 28.47,36.8 28.03,36.35 27.87,36.35 27.65,36.58 27.65,37.03 27.42,37.26 27.28,37.26 27.05,37.03 27.05,36.57 26.82,36.34 26.68,36.34 26.45,36.57 26.45,37.03 26.22,37.26 26.08,37.26 25.85,37.03 25.85,36.58 25.63,36.35 25.45,36.35 25,36.8 24,36.8 23.4,36.2 v2(23.1,36.2)